# Altium PCB 脑电采集板V3.0.PcbDoc (part 2 of 2)
Units mm, origin at the board's own origin, x right, y up, seen from the top; angles counter-clockwise.
Board outline 100 x 80 mm, 2 copper layers (Top Layer, Bottom Layer); 140 components, 112 nets, 667 pads, 166 vias.
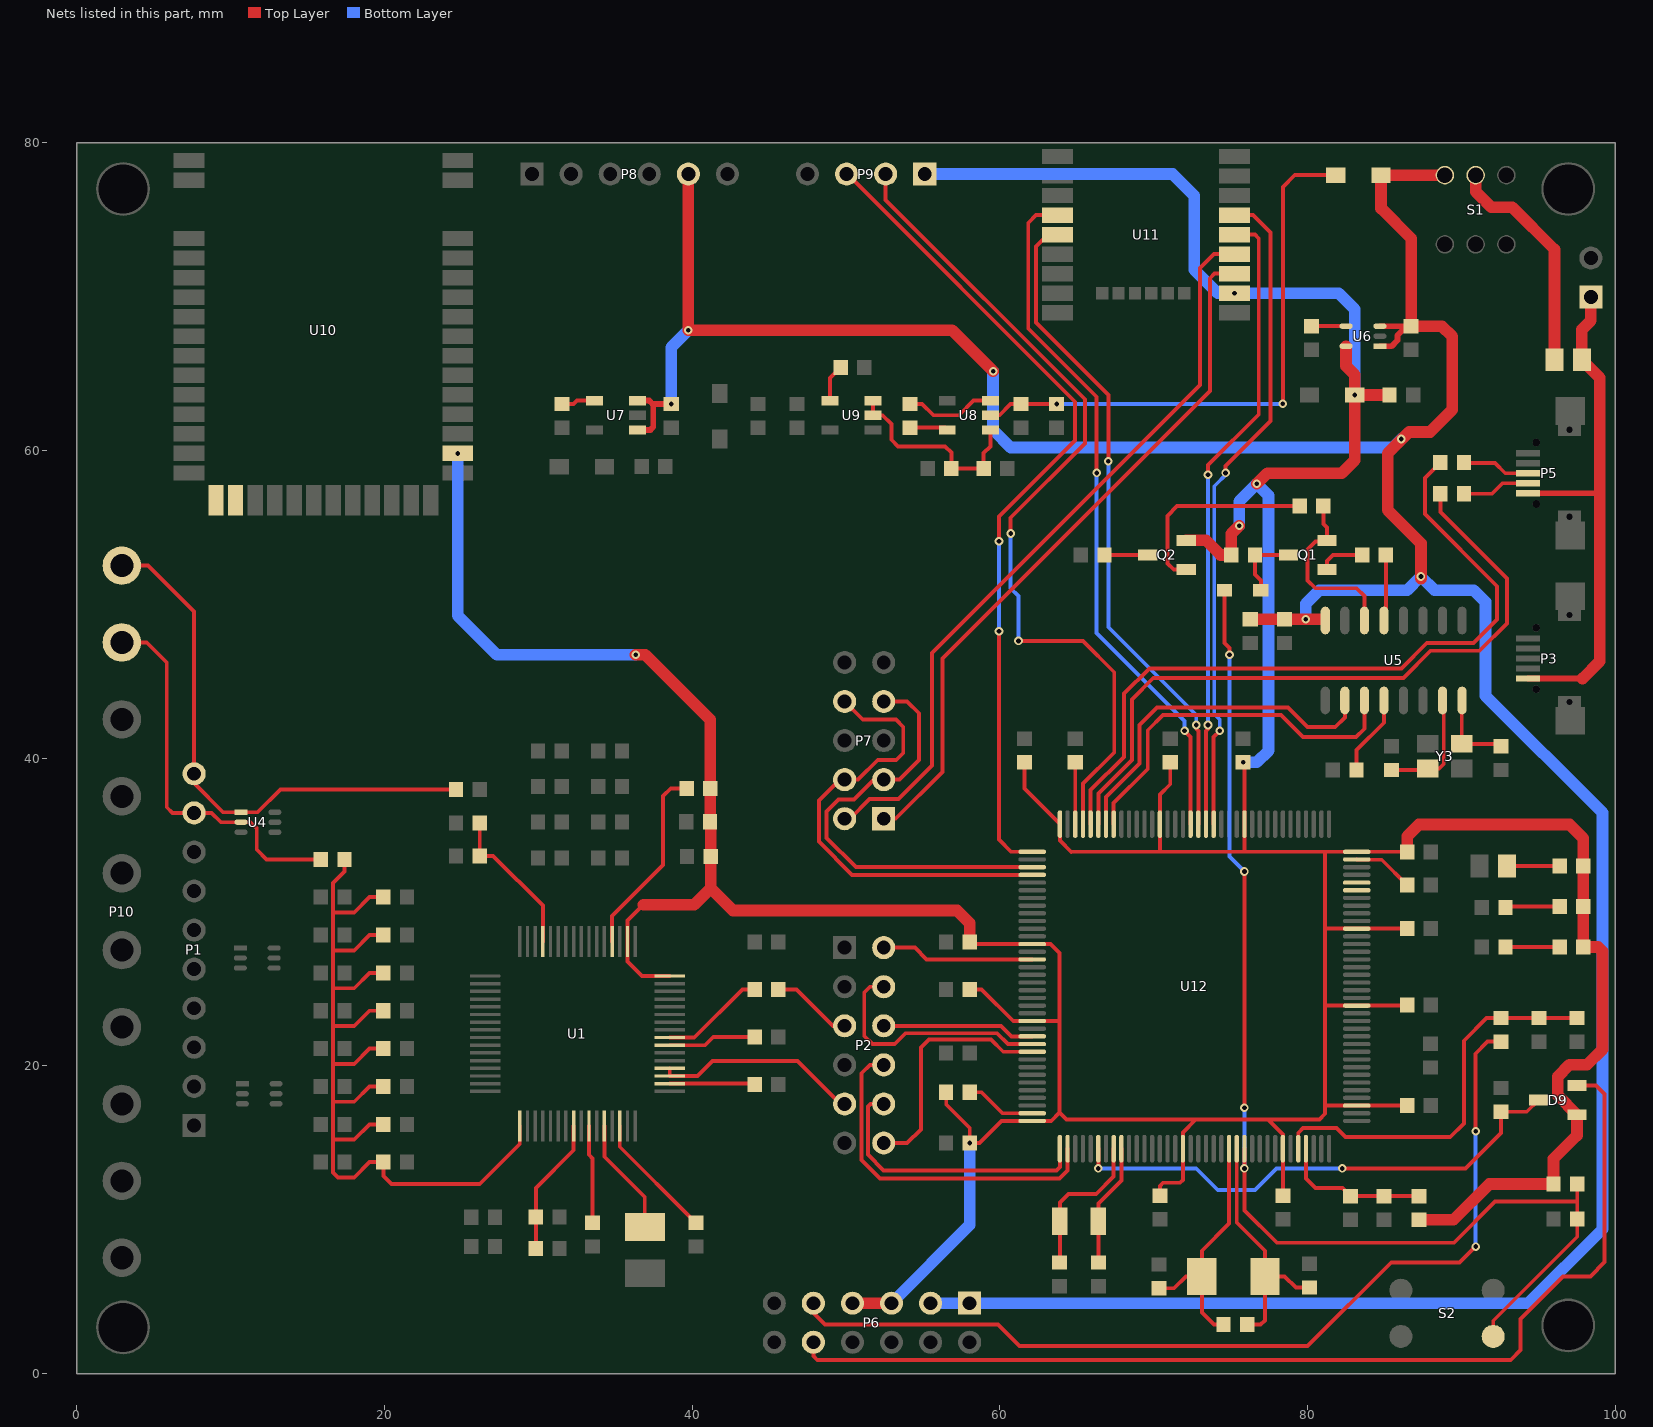
[diagram p2: the nets of this part, all layers, seen from the top]

## Via types
v1: diameter 0.559, hole 0.305, Top Layer to Bottom Layer, tented both sides, 166 vias

## Nets (pads, with @x,y where several pads share a name; then routed paths per layer and width w, separated by ;. In a path a pad name is that pad's centre, name@x,y a point inside that pad or via, vN(x,y) a via of type N, cw(c..) or ccw(c..) an arc to the next point about the centre after c; other vN are vias at no path point) (continued)
NetC7_2: C7.2 R2.2 U1.61 | length 9.9
  Top Layer w0.254: C7.2@26.188,35.781 R2.2@26.188,33.655 27.059,33.655 30.293,30.421 U1.61@30.293,28.094
NetC21_1: C21.1 U1.26 | length 6.4
  Top Layer w0.254: U1.26@33.293,16.094 33.293,14.224 33.533,13.984 C21.1@33.533,9.795
NetC22_1: C22.1 U1.30 | length 8.3
  Top Layer w0.254: U1.30@35.293,16.094 35.293,14.745 39.997,10.041 C22.1@40.259,10.041
NetC24_1: C24.1 U1.28 | length 7.7
  Top Layer w0.254: U1.28@34.293,16.094 34.293,14.094 36.917,11.47 C24.1@36.917,9.525
NetC25_2: C25.2 C26.1 U1.24 | length 9
  Top Layer w0.254: C26.1@29.837,8.128 C25.2@29.837,10.168 29.837,12.057 32.293,14.513 U1.24@32.293,16.094
NetC29_1: C29.1 U5.4 | length 5.2
  Top Layer w0.254: C29.1@83.193,39.243 83.193,40.529 84.971,42.307 U5.4@84.971,43.755
NetC32_2: C32.2 U6.4 | length 2.2
  Top Layer w0.254: C32.2@80.264,68.088 82.508,68.088 U6.4@82.509,68.087
NetC35_2: C35.2 U7.4 | length 2.2
  Top Layer w0.254: C35.2@31.527,63.031 32.297,63.031 32.512,63.246 U7.4@33.652,63.246
NetC36_1: C36.1 U8.5 | length 2.5
  Top Layer w0.254: C36.1@54.174,61.491 56.439,61.491 U8.5@56.584,61.346
NetC36_2: C36.2 U8.3 | length 5.9
  Top Layer w0.254: C36.2@54.174,63.031 54.952,63.031 55.687,62.296 57.351,62.296 58.301,63.246 U8.3@59.384,63.246
NetC39_1: C39.1 C40.2 D4.2 U8.2 | length 37.2
  Top Layer w0.254: U8.2@59.384,62.296 59.971,62.296 60.706,63.031 C40.2@61.373,63.031 v1(63.691,63.031) ; v1(78.403,63.036) 78.403,77.133 79.176,77.906 D4.2@81.837,77.906
  Bottom Layer w0.254: v1(63.691,63.031) 78.398,63.031 v1(78.403,63.036)
NetC41_1: C41.1 C42.2 U8.1 U9.2 U9.3 | length 13.4
  Top Layer w0.254: U9.3@51.764,63.246 U9.2@51.764,62.296 52.385,62.296 52.959,61.722 52.959,60.706 53.392,60.273 56.44,60.273 56.849,59.864 C41.1@56.849,58.846 C42.2@58.948,58.846 58.948,59.837 59.384,60.273 U8.1@59.384,61.346
NetC43_2: C43.2 U9.4 | length 2.4
  Top Layer w0.254: U9.4@48.964,63.246 48.964,64.72 C43.2@49.649,65.405
NetC44_2: C44.2 U12.8 Y1.1 | length 9.9
  Top Layer w0.254: C44.2@63.881,7.213 63.903,7.235 Y1.1@63.903,9.906 63.903,11.114 64.473,11.684 66.269,11.684 67.403,12.818 U12.8@67.403,14.619
NetC45_2: C45.2 U12.9 Y1.2 | length 8
  Top Layer w0.254: C45.2@66.403,7.213 Y1.2@66.403,9.906 66.403,11.056 67.903,12.556 U12.9@67.903,14.619
NetC46_2: C46.2 R27.1 U12.23 Y2.1 | length 16.2
  Top Layer w0.254: C46.2@70.358,5.546 71.332,5.546 72.102,6.316 Y2.1@73.134,6.316 ; R27.1@74.541,3.175 73.914,3.175 73.134,3.955 Y2.1@73.134,6.316 ; U12.23@74.903,14.619 74.903,9.752 73.134,7.983 Y2.1@73.134,6.316
NetC47_2: C47.2 R27.2 U12.24 Y2.2 | length 16.4
  Top Layer w0.254: U12.24@75.403,14.619 75.403,9.814 77.234,7.983 Y2.2@77.234,6.316 ; R27.2@76.081,3.175 76.951,3.175 77.234,3.458 Y2.2@77.234,6.316 ; C47.2@80.137,5.588 79.248,5.588 78.52,6.316 Y2.2@77.234,6.316
NetC48_1: C48.1 C49.1 R29.2 U12.33 | length 9.8
  Top Layer w0.254: U12.33@79.903,14.619 79.903,12.68 80.518,12.065 82.27,12.065 C48.1@82.804,11.531 C49.1@84.963,11.531 R29.2@87.249,11.531
NetC51_2: C51.2 U12.106 | length 4
  Top Layer w0.254: U12.106@64.903,35.719 C51.2@64.903,39.735
NetC53_2: C53.2 U12.71 | length 4
  Top Layer w0.254: U12.71@83.203,33.419 83.221,33.401 84.828,33.401 C53.2@86.479,31.75
NetC68_2: C68.2 U5.7 Y3.1 | length 7.7
  Top Layer w0.254: C68.2@85.45,39.235 87.735,39.235 Y3.1@87.832,39.332 88.564,39.332 88.862,39.63 88.862,43.674 U5.7@88.781,43.755
NetC69_2: C69.2 U5.8 Y3.3 | length 5.4
  Top Layer w0.254: U5.8@90.051,43.755 90.032,43.736 Y3.3@90.032,40.932 92.426,40.932 C69.2@92.583,40.775
NetD1_2: D1.2 Q1.3 R17.2 | length 4.6
  Top Layer w0.254: D1.2@76.97,50.927 76.97,51.562 76.589,51.943 R17.2@76.589,53.213 Q1.3@78.768,53.213
NetD6_A: D6.A R24.2 | length 3.6
  Top Layer w0.254: D6.A@92.876,30.288 92.953,30.365 R24.2@96.397,30.365
NetD7_A: D7.A R25.2 | length 3.5
  Top Layer w0.254: D7.A@92.876,27.734 R25.2@96.397,27.734
NetD8_A: D8.A R26.2 | length 3.4
  Top Layer w0.254: D8.A@92.965,32.997 R26.2@96.397,32.997
NetF1_1: F1.1 S1.2 | length 14.9
  Top Layer w0.762: S1.2@90.932,77.906 90.932,76.835 91.948,75.819 93.312,75.819 96.059,73.072 F1.1@96.059,65.913
NetP5_2: P5.2 R21.1 | length 4.4
  Top Layer w0.254: R21.1@90.178,57.195 91.993,57.195 92.675,57.877 P5.2@94.328,57.877
NetP5_3: P5.3 R22.1 | length 4.4
  Top Layer w0.254: R22.1@90.178,59.227 90.223,59.182 92.202,59.182 92.857,58.527 P5.3@94.328,58.527
NetQ1_1: Q1.1 R18.2 | length 3
  Top Layer w0.254: Q1.1@81.268,52.263 81.268,52.82 81.661,53.213 R18.2@83.558,53.213
NetQ1_2: Q1.2 R19.2 U5.14 | length 11.5
  Top Layer w0.254: R19.2@81.034,56.388 81.034,55.237 81.268,55.003 Q1.2@81.268,54.163 81.207,54.102 80.53,54.102 80.01,53.582 80.01,51.562 80.518,51.054 83.193,51.054 83.701,50.546 U5.14@83.701,48.955
NetQ2_1: Q2.1 R19.1 | length 13.3
  Top Layer w0.254: Q2.1@72.116,52.263 71.308,52.263 70.903,52.668 70.903,55.761 71.53,56.388 R19.1@79.494,56.388
NetQ2_3: Q2.3 R20.1 | length 2.8
  Top Layer w0.254: R20.1@66.81,53.213 Q2.3@69.616,53.213
NetR3_2: R3.2 U1.52 | length 12.6
  Top Layer w0.254: U1.52@34.793,28.094 34.793,29.755 38.1,33.062 38.1,37.533 38.608,38.041 R3.2@39.641,38.041
NetR9_1: R9.1 U1.40 | length 6.8
  Top Layer w0.254: U1.40@38.543,21.844 40.132,21.844 43.265,24.977 R9.1@44.061,24.977
NetR10_1: R10.1 U1.39 | length 5.7
  Top Layer w0.254: U1.39@38.543,21.344 40.825,21.344 41.367,21.886 R10.1@44.061,21.886
NetR12_1: R12.1 U1.34 | length 5.5
  Top Layer w0.254: U1.34@38.543,18.844 44.013,18.844 R12.1@44.061,18.796
NetR18_1: R18.1 U5.13 | length 4.3
  Top Layer w0.254: U5.13@84.971,48.955 85.098,49.082 R18.1@85.098,53.213
NetR23_2: R23.2 U12.143 | length 4.6
  Top Layer w0.254: R23.2@58.047,18.288 58.801,18.288 60.17,16.919 61.059,16.919 U12.143@62.103,16.919
nRF_RX: P7.1 U11.18 | length 46.1
  Top Layer w0.254: P7.1@52.451,36.068 53.213,36.068 56.261,39.116 56.261,46.482 73.66,63.881 73.66,71.206 73.955,71.501 U11.18@75.254,71.501
nRF_TX: P7.2 U11.19 | length 49.3
  Top Layer w0.254: P7.2@49.911,36.068 50.253,36.068 51.523,37.338 53.422,37.338 55.601,39.517 55.601,46.838 73.025,64.262 73.025,71.882 73.914,72.771 U11.19@75.254,72.771
P\W\D\N\: P2.9 U1.35 U1.36 | length 13.4
  Top Layer w0.254: U1.36@38.543,19.844 U1.35@38.543,19.344 40.357,19.344 41.333,20.32 46.859,20.32 49.653,17.526 P2.9@49.911,17.526
PD2: U10.16
PD3: U10.17
PD7: P2.2 U12.123 | length 10
  Top Layer w0.254: P2.2@52.451,27.686 54.478,27.686 55.245,26.919 U12.123@62.103,26.919
PE2: P2.10 U12.1 | length 18.4
  Top Layer w0.254: P2.10@52.451,17.526 51.601,17.526 51.422,17.347 51.422,14.237 52.451,13.208 63.691,13.208 63.903,13.42 U12.1@63.903,14.619
PE3: P2.8 U12.2 | length 22.8
  Top Layer w0.254: P2.8@52.451,20.066 51.562,20.066 51.015,19.519 51.015,13.882 52.217,12.68 63.881,12.68 64.403,13.202 U12.2@64.403,14.619
PE14: U12.67
PE15: U12.68
PG3: U11.21 U12.88 | length 43.3
  Top Layer w0.254: U12.88@73.903,35.719 73.903,41.391 v1(74.295,41.783) ; v1(74.676,58.547) 74.676,59.005 77.597,61.926 77.597,74.176 76.462,75.311 U11.21@75.254,75.311
  Bottom Layer w0.254: v1(74.295,41.783) 74.295,42.526 73.939,42.882 73.939,57.683 74.803,58.547 v1(74.676,58.547)
PG4: U11.20 U12.89 | length 41.2
  Top Layer w0.254: U12.89@73.403,35.719 73.403,41.78 73.533,41.91 v1(73.533,42.161) ; v1(73.533,58.42) 73.533,59.055 76.835,62.357 76.835,73.796 76.59,74.041 U11.20@75.254,74.041
  Bottom Layer w0.254: v1(73.533,42.161) v1(73.533,58.42)
PG5: U11.5 U12.90 | length 43.6
  Top Layer w0.254: U11.5@63.754,74.041 63.119,74.041 62.357,73.279 62.357,68.326 67.056,63.627 v1(67.056,59.309) ; v1(72.771,42.161) 72.771,41.91 72.903,41.778 U12.90@72.903,35.719
  Bottom Layer w0.254: v1(67.056,59.309) 67.056,48.514 72.771,42.799 v1(72.771,42.161)
PG6: U11.4 U12.91 | length 46.2
  Top Layer w0.254: U11.4@63.754,75.311 62.357,75.311 61.849,74.803 61.849,67.945 66.294,63.5 v1(66.294,58.547) 66.294,59.177 ; v1(72.009,41.783) 72.403,41.389 U12.91@72.403,35.719
  Bottom Layer w0.254: v1(66.294,58.547) 66.294,48.133 72.009,42.418 v1(72.009,41.783)
REF: P1.9 P10.9 R16.1 U4.2 | length 25.1
  Top Layer w0.254: P10.9@2.921,47.526 4.544,47.526 5.842,46.228 5.842,36.814 6.207,36.449 P1.9@7.62,36.449 8.763,36.449 9.371,35.841 U4.2@10.668,35.841 11.276,35.841 11.696,35.421 11.696,34.052 12.32,33.428 R16.1@15.859,33.428
RESET: C50.2 D1.1 R28.2 S2.1 U12.25 | length 78.6
  Top Layer w0.254: D1.1@74.61,50.927 74.61,47.498 74.93,47.178 v1(74.93,46.736) ; U12.25@75.903,14.619 v1(75.903,13.335) 75.903,10.604 78.006,8.501 89.526,8.501 92.201,11.176 97.536,11.176 ; v1(75.903,17.272) v1(75.903,32.639) ; S2.1@92.075,2.413 92.075,3.429 97.536,8.89 C50.2@97.536,10.057 97.536,11.176 ; 97.536,11.176 97.536,11.763 ; 97.536,11.763 R28.2@97.536,12.319 97.536,11.763
  Bottom Layer w0.254: v1@74.93,46.866 v1(74.93,46.736) 74.93,33.612 v1(75.903,32.639) ; v1(75.903,13.335) v1(75.903,17.272)
RL: P1.10 P10.10 R4.1 U4.1 | length 35.5
  Top Layer w0.254: P10.10@2.921,52.526 4.624,52.526 7.62,49.53 P1.10@7.62,38.989 7.62,38.381 9.51,36.491 U4.1@10.668,36.491 11.755,36.491 13.237,37.973 R4.1@24.648,37.973
SCLK: P2.5 R9.2 | length 5.3
  Top Layer w0.254: R9.2@45.601,24.977 46.778,24.977 49.149,22.606 P2.5@49.911,22.606
SPI3_MISO: P2.4 U12.134 | length 16
  Top Layer w0.254: P2.4@52.451,25.146 51.562,25.146 51.189,24.773 51.189,21.95 51.72,21.419 53.169,21.419 53.873,22.123 59.828,22.123 60.532,21.419 U12.134@62.103,21.419
SPI3_MOSI: P2.12 U12.135 | length 15.9
  Top Layer w0.254: P2.12@52.451,14.986 53.975,14.986 54.864,15.875 54.864,21.183 55.398,21.717 59.427,21.717 60.226,20.919 U12.135@62.103,20.919
SPI3_SCK: P2.6 U12.133 | length 9.9
  Top Layer w0.254: P2.6@52.451,22.606 60.071,22.606 60.758,21.919 U12.133@62.103,21.919
SRB1: C14.1 C15.1 C16.1 C17.1 C18.1 C19.1 C20.1 C23.1 R16.2 U1.17 | length 62.5
  Top Layer w0.254: R16.2@17.399,33.428 17.399,32.639 16.655,31.895 16.655,29.972 ; C15.1@19.923,16.201 19.029,16.201 18.034,15.206 16.655,15.206 ; C16.1@19.923,18.662 19.029,18.662 18.034,17.667 16.655,17.667 ; C17.1@19.923,21.123 19.029,21.123 18.034,20.128 16.655,20.128 ; C18.1@19.923,23.584 19.029,23.584 18.034,22.589 16.655,22.589 ; C19.1@19.923,26.045 19.029,26.045 18.034,25.05 16.655,25.05 ; C20.1@19.923,28.506 19.029,28.506 18.034,27.511 16.655,27.511 ; C23.1@19.923,30.967 19.029,30.967 18.034,29.972 16.655,29.972 ; U1.17@28.793,16.094 28.793,14.922 26.19,12.319 20.447,12.319 19.923,12.843 C14.1@19.923,13.74 19.029,13.74 18.034,12.745 16.973,12.745 16.655,13.063 16.655,15.206 ; 16.655,15.206 16.655,17.667 ; 16.655,17.667 16.655,20.128 ; 16.655,20.128 16.655,22.589 ; 16.655,22.589 16.655,25.05 ; 16.655,25.05 16.655,27.511 ; 16.655,27.511 16.655,29.972
SWCLK: P9.3 U12.109 | length 54
  Top Layer w0.254: P9.3@50.038,77.978 50.094,77.978 64.897,63.175 64.897,60.656 59.944,55.703 v1(59.944,54.102) ; v1(59.944,48.26) 59.944,34.707 60.732,33.919 U12.109@62.103,33.919
  Bottom Layer w0.254: v1(59.944,48.26) v1(59.944,54.102)
SWDIO: P9.2 U12.105 | length 55.7
  Top Layer w0.254: P9.2@52.578,77.978 52.578,76.29 65.532,63.336 65.532,60.46 60.706,55.634 v1(60.706,54.61) ; v1(61.214,47.625) 65.405,47.625 67.437,45.593 67.437,40.386 65.403,38.352 U12.105@65.403,35.719
  Bottom Layer w0.254: v1(60.706,54.61) 60.706,51.054 61.214,50.546 v1(61.214,47.625)
USART1_RX: U5.2 U12.102 | length 23
  Top Layer w0.254: U12.102@66.903,35.719 66.903,37.481 69.088,39.666 69.088,42.164 70.231,43.307 78.74,43.307 80.01,42.037 81.807,42.037 82.431,42.661 U5.2@82.431,43.755
USART1_TX: U5.3 U12.101 | length 24.2
  Top Layer w0.254: U12.101@67.403,35.719 67.403,37.095 69.616,39.308 69.616,41.817 70.598,42.799 78.292,42.799 79.715,41.377 83.16,41.377 83.701,41.918 U5.3@83.701,43.755
USART3_RX: P7.4 P7.8 U12.112 | length 30.4
  Top Layer w0.254: P7.8@49.911,43.688 51.087,42.512 53.243,42.512 53.721,42.034 53.721,40.334 53.265,39.878 52.062,39.878 50.792,38.608 P7.4@49.911,38.608 49.599,38.608 48.235,37.244 48.235,34.587 50.403,32.419 U12.112@62.103,32.419
USART3_TX: P7.3 P7.7 U12.111 | length 28.9
  Top Layer w0.254: P7.7@52.451,43.688 53.975,43.688 54.737,42.926 54.737,39.878 53.467,38.608 P7.3@52.451,38.608 51.816,38.608 50.517,37.309 49.501,37.309 48.74,36.548 48.74,34.826 50.647,32.919 U12.111@62.103,32.919
USB_5V: F1.2 P3.1 P4.1 P5.1 | length 34.2
  Top Layer w0.381: P3.1@94.328,45.182 97.887,45.182 ; P5.1@94.328,57.227 99.01,57.227
  Top Layer w0.762: 97.887,45.182 99.01,46.305 99.01,57.227 99.01,64.742 F1.2@97.839,65.913 97.839,67.867 98.425,68.453 P4.1@98.425,69.977
USB_D+: R22.2 U12.104 | length 48.2
  Top Layer w0.254: U12.104@65.903,35.719 65.903,37.924 68.072,40.093 68.072,44.196 69.723,45.847 86.106,45.847 87.757,47.498 90.805,47.498 92.329,49.022 92.329,51.181 87.63,55.88 87.63,58.219 R22.2@88.638,59.227
USB_D-: R21.2 U12.103 | length 45.7
  Top Layer w0.254: U12.103@66.403,35.719 66.403,37.701 68.58,39.878 68.58,43.815 69.977,45.212 86.233,45.212 88.011,46.99 91.186,46.99 92.965,48.769 92.965,51.688 88.638,56.015 R21.2@88.638,57.195
VBAT: D9.2 P6.10 | length 69.2
  Top Layer w0.254: P6.10@47.879,2.032 47.879,1.143 48.133,0.889 93.218,0.889 93.853,1.524 93.853,3.556 96.613,6.316 98.391,6.316 99.314,7.239 99.314,18.161 98.745,18.73 D9.2@97.516,18.73
VBAT_IN: C52.1 D9.3 U12.6 | length 33.7
  Top Layer w0.254: v1(66.403,13.335) U12.6@66.403,14.619 ; v1(82.27,13.335) 90.269,13.335 92.583,15.649 C52.1@92.583,17.018 94.254,17.018 D9.3@95.016,17.78
  Bottom Layer w0.254: v1(66.403,13.335) 72.771,13.335 74.168,11.938 76.581,11.938 77.978,13.335 v1(82.27,13.335)
VCC: C27.1 C28.1 C30.2 C33.2 D4.1 P6.1 P6.3 P8.5 S1.1 U5.16 U6.1 U6.3 U7.1 U7.3 | length 222.3
  Top Layer w0.381: U7.1@36.452,61.346 37.281,61.346 37.465,61.53 37.465,62.992 37.426,63.031 ; U7.3@36.452,63.246 37.211,63.246 37.426,63.031 ; v1(38.639,63.031) 37.426,63.031 ; U5.16@81.086,49.03 U5.16@81.161,48.955 ; U6.1@84.709,66.787 85.471,66.787 85.86,67.175 85.86,67.493 C30.2@86.453,68.087 ; U6.3@84.709,68.087 C30.2@86.453,68.087 ; C30.2@86.741,68.088 C30.2@86.453,68.087
  Top Layer w0.762: P8.5@39.751,77.978 v1(39.751,67.818) 56.896,67.818 v1(59.563,65.151) ; C28.1@76.282,49.03 C27.1@78.494,49.03 v1(79.883,49.03) U5.16@81.086,49.03 ; C30.2@86.741,68.088 86.74,73.788 84.787,75.741 D4.1@84.787,77.906 S1.1@88.932,77.906 ; C30.2@86.741,68.088 88.742,68.088 89.408,67.422 89.408,62.648 87.974,61.214 86.614,61.214 85.217,59.817 85.217,56.134 87.376,53.975 v1(87.376,51.816) v1@87.376,51.689
  Bottom Layer w0.762: v1(38.639,63.031) 38.639,66.706 v1(39.751,67.818) ; P6.3@55.499,4.572 P6.1@58.039,4.572 94.361,4.572 99.187,9.398 99.187,36.449 91.567,44.069 91.567,50.165 90.805,50.927 88.265,50.927 v1(87.376,51.816) 86.487,50.927 80.772,50.927 79.883,50.038 v1(79.883,49.03) ; v1(59.563,65.151) 59.563,61.341 60.706,60.198 85.549,60.198 v1(86.106,60.755)
VCC3.3: C12.1 C13.1 C31.2 C56.2 C57.2 C58.2 C59.2 C60.2 C61.2 C62.2 C63.2 C64.2 C65.2 C66.2 C67.2 D2.2 D9.1 P6.5 P6.7 P9.1 Q2.2 R3.1 R17.1 R23.1 R24.1 R25.1 R26.1 R28.1 R29.1 U1.48 U1.50 U6.5 U10.29 U11.17 U12.17 U12.30 U12.39 U12.52 U12.62 U12.72 U12.84 U12.95 U12.108 U12.121 U12.131 U12.144 | length 358.6
  Top Layer w0.254: 36.833,30.48 35.793,29.44 U1.50@35.793,28.094 35.793,26.789 36.738,25.844 U1.48@38.543,25.844 ; R23.1@56.507,18.288 56.515,18.28 56.515,17.491 58.047,15.959 v1(58.047,14.986) 58.674,14.986 60.107,16.419 U12.144@62.103,16.419 63.343,16.419 63.881,16.957 ; C56.2@58.047,24.977 58.816,24.977 60.874,22.919 U12.131@62.103,22.919 63.881,22.919 ; C57.2@58.047,27.919 U12.121@62.103,27.919 63.289,27.919 63.881,27.327 63.881,22.919 ; C63.2@61.595,39.735 61.595,38.027 U12.108@63.903,35.719 63.903,34.649 64.643,33.909 64.653,33.919 70.403,33.919 ; C58.2@70.403,11.565 70.403,12.192 70.612,12.401 71.71,12.401 71.903,12.594 U12.17@71.903,14.619 71.903,15.676 72.691,16.463 ; C64.2@71.078,39.735 71.078,38.312 70.403,37.637 U12.95@70.403,35.719 70.403,33.919 ; v1(75.819,39.735) 75.903,39.651 U12.84@75.903,35.719 75.903,33.919 ; C61.2@78.403,11.565 U12.30@78.403,14.619 78.403,15.542 77.435,16.51 ; 81.153,33.909 81.153,28.919 ; C65.2@86.479,17.419 U12.39@83.203,17.419 81.153,17.419 ; C66.2@86.479,23.969 86.428,23.919 U12.52@83.203,23.919 81.153,23.919 ; C60.2@86.479,28.922 86.475,28.919 U12.62@83.203,28.919 81.153,28.919 ; C67.2@86.479,33.909 86.469,33.919 U12.72@83.203,33.919 75.903,33.919 ; 63.881,16.957 64.328,16.51 77.435,16.51 ; 63.881,16.957 63.881,22.919 ; 70.403,33.919 75.903,33.919 ; 77.435,16.51 80.772,16.51 81.153,16.891 81.153,17.419 ; 81.153,17.419 81.153,23.919 ; 81.153,23.919 81.153,28.919
  Top Layer w0.762: v1(36.322,46.736) 36.957,46.736 41.181,42.512 R3.1@41.181,38.041 41.181,35.896 C13.1@41.156,35.871 41.204,35.823 C12.1@41.204,33.614 41.204,31.552 ; 36.833,30.48 40.132,30.48 41.204,31.552 ; P6.7@50.419,4.572 P6.5@52.959,4.572 ; C57.2@58.047,28.067 58.047,29.284 57.232,30.099 42.657,30.099 41.204,31.552 ; Q2.2@72.116,54.163 73.403,54.163 74.353,53.213 R17.1@75.049,53.213 75.049,54.602 v1(75.565,55.118) ; v1(76.708,57.838) 77.397,58.527 82.231,58.527 83.079,59.375 v1(83.079,63.612) ; U6.5@82.509,66.787 82.509,65.495 83.079,64.925 v1(83.079,63.612) ; C31.2@85.328,63.627 85.313,63.612 v1(83.079,63.612) ; C67.2@86.479,33.909 86.479,34.929 87.237,35.687 97.048,35.687 97.937,34.798 R26.1@97.937,32.997 R24.1@97.937,30.365 R25.1@97.937,27.734 98.885,27.734 99.187,27.432 99.187,21.082 98.171,20.066 97.028,20.066 96.266,19.304 96.266,18.08 D9.1@97.516,16.83 97.516,15.474 95.996,13.954 R28.1@95.996,12.319 91.821,12.319 89.493,9.991 R29.1@87.249,9.991
  Bottom Layer w0.762: v1(24.765,59.817) 24.765,49.276 27.305,46.736 v1(36.322,46.736) ; P6.5@52.959,4.572 58.047,9.66 v1(58.047,14.986) ; P9.1@55.118,77.978 71.247,77.978 72.644,76.581 72.644,71.755 74.168,70.231 v1(75.254,70.231) 82.042,70.231 83.079,69.194 v1(83.079,63.612) ; v1(75.565,55.118) 75.565,56.695 v1(76.708,57.838) 77.47,57.076 77.47,40.497 76.708,39.735 v1(75.819,39.735)
VREF: P6.9 R30.2 | length 61.8
  Top Layer w0.254: P6.9@47.879,4.572 47.879,3.937 48.641,3.175 59.869,3.175 61.266,1.778 80.01,1.778 85.445,7.213 89.89,7.213 v1(90.932,8.255) ; v1(90.932,15.748) 90.932,20.792 91.714,21.574 R30.2@92.583,21.574
  Bottom Layer w0.254: v1(90.932,8.255) v1(90.932,15.748)
VREF+: C54.2 C55.2 R30.1 U12.32 | length 25.9
  Top Layer w0.254: U12.32@79.403,14.619 79.403,15.649 79.713,15.959 81.886,15.959 82.478,15.367 89.281,15.367 90.17,16.256 90.17,21.632 91.652,23.114 R30.1@92.583,23.114 C55.2@95.059,23.114 C54.2@97.536,23.114
pads on no net: P3. P3.4 P3.6 P5. P5.4 P5.6 P8.1 P8.6 S1.3 S1.4 S1.5 S1.6 S2. U1.1 U1.3 U1.5 U1.7 U1.9 U1.11 U1.13 U1.15 U1.18 U1.27 U1.29 U1.37 U1.42 U1.44 U1.45 U1.46 U1.60 U1.64 U2.6 U3.6 U4.4 U4.5 U4.6 U5.9 U5.10 U5.11 U5.12 U5.15 U10.4 U10.5 U10.8 U10.9 U10.10 U10.11 U10.12 U10.13 U10.14 U10.15 U10.18 U10.19 U10.20 U10.21 U10.22 U10.23 U10.24 U10.25 U10.26 U10.28 U10.30 U10.31 U10.32 U10.33 U10.34 U10.35 U10.36 U10.37 U10.38 U10.39 U11.2 U11.3 U11.6 U11.7 U11.8 U11.10 U11.11 U11.12 U11.13 U11.14 U11.15 U11.22 U11.23 U11.24 U12.3 U12.4 U12.5 U12.7 U12.10 U12.11 U12.12 U12.13 U12.14 U12.15 U12.18 U12.19 U12.20 U12.21 U12.22 U12.26 U12.27 U12.28 U12.29 U12.34 U12.35 U12.36 U12.37 U12.40 U12.41 U12.42 U12.43 U12.44 U12.45 U12.46 U12.47 U12.49 U12.50 U12.53 U12.54 U12.55 U12.58 U12.59 U12.60 U12.63 U12.64 U12.65 U12.66 U12.69 U12.70 U12.73 U12.74 U12.75 U12.76 U12.77 U12.78 U12.79 U12.80 U12.81 U12.82 U12.85 U12.86 U12.87 U12.92 U12.93 U12.96 U12.97 U12.98 U12.99 U12.100 U12.110 U12.113 U12.114 U12.115 U12.116 U12.117 U12.118 U12.119 U12.122 U12.124 U12.125 U12.126 U12.127 U12.128 U12.129 U12.132 U12.136 U12.137 U12.139 U12.140 U12.141 U12.142 Y3.2 Y3.4
copper on no net: | length 98.8
  Bottom Layer w0.508: 14.351,0.508 14.351,34.671 21.717,34.671 43.506,34.671 44.831,33.346 44.831,16.891 46.609,15.113 46.609,0.508

## Polygon pours and split planes (outlines as drawn)
AGND on Bottom Layer "Bottom Layer-AGND" (solid, remove dead copper, pour order 10): 14.097,0.254 13.97,0.381 0.254,0.381 0.127,0.254 0.127,79.756 99.695,79.756 99.695,0.254 46.863,0.254 46.863,15.113 46.609,15.113 44.831,16.891 44.831,32.961 45.212,33.342 45.212,33.401 43.688,34.925 14.097,34.925
DGND on Bottom Layer "Bottom Layer-DGND" (solid, remove dead copper, pour order 8): 14.605,34.417 14.605,0.254 46.355,0.254 46.355,14.986 44.577,16.764 44.577,33.274 43.506,34.345 43.506,34.417 43.379,34.29 14.859,34.417
DGND on Top Layer "Top Layer-DGND" (solid, remove dead copper, pour order 16): 14.605,34.417 14.605,0.254 46.355,0.254 46.355,14.986 44.577,16.764 44.577,33.274 43.506,34.345 43.506,34.417 43.379,34.29 14.859,34.417
AGND on Top Layer "Top Layer-AGND" (solid, remove dead copper, pour order 14): 14.097,0.254 0.127,0.254 0.127,79.756 99.695,79.756 99.695,0.254 46.863,0.254 46.863,15.093 45.212,16.744 45.212,33.342 45.212,33.401 43.688,34.925 14.097,34.925
AVSS on Top Layer "Top Layer-AVSS" (solid, remove dead copper, pour order 12): 26.416,11.049 26.416,6.858 27.861,5.413 40.815,5.413 41.021,5.207 41.021,1.778 41.783,1.016 46.355,1.016 46.355,2.921 46.101,3.175 43.434,3.175 43.434,8.636 42.926,9.144 39.243,9.144 38.989,8.382 38.862,8.001 34.809,8.001 34.793,7.985 34.745,8.033 34.745,8.89 32.512,8.89 32.512,9.017 32.512,9.144 32.512,11.049 30.734,11.049 30.734,7.128 29.083,7.128 28.448,7.763 28.448,11.049

## Other copper
Top Layer:
  pour cut-out: 85.09,46.077 84.971,45.958 84.971,41.918 86.721,41.918 86.929,41.71 89.695,41.71 89.662,41.744 89.662,45.583 87.176,45.583 86.929,45.831
  pour cut-out: 14.605,30.922 16.739,30.922 18.067,32.25 18.067,34.392 18.042,34.417 14.605,34.417
  pour cut-out: 35.106,26.891 35.517,26.891 35.814,27.188 35.814,29.845 35.941,29.845 36.576,30.48 35.996,31.06 35.842,31.06 35.842,30.804 34.793,29.755 34.925,29.623 34.925,27.559
  pour cut-out: 37.378,23.749 37.378,20.534 37.862,20.05 37.862,19.344 44.617,19.344 44.704,19.431 44.41,19.725 44.41,26.181 42.502,26.181 40.214,23.892 38.925,23.892
  pour cut-out: 35.98,14.891 35.973,14.884 35.63,14.884
  pour cut-out: 22.131,13.403 22.098,13.37 22.098,12.656 20.586,12.656 20.323,12.919 20.323,13.107 20.177,13.253 20.475,13.551 20.475,14.619 21.161,14.619 21.209,14.571
  pour cut-out: 78.387,4.913 78.394,4.92 79.444,4.92 79.444,6.256 79.047,6.653 78.387,6.653 78.387,5.433 78.359,5.405
  pour cut-out: 71.051,4.878 71.126,4.953 72.263,4.953 72.263,6.347 71.981,6.629 71.567,6.215 71.051,6.215 71.051,5.833 71.078,5.807
  pour cut-out: 57.379,20.135 57.379,19.185 57.175,18.981 57.175,17.595 57.058,17.477 57.005,17.477 57.005,17.058 58.384,15.679 58.774,15.679 58.833,15.621 59.876,16.665 59.876,17.022 58.659,18.24 58.659,20.193 57.531,20.193
  pour cut-out: 38.479,38.352 38.861,38.734 40.573,38.734 40.822,38.485 40.822,34.767 38.595,34.767 38.37,34.992 38.37,37.636
  pour cut-out: 89.306,59.92 90.846,59.92 90.846,58.845 92.202,58.845 92.202,58.35 92.675,57.877 91.993,57.195 90.178,57.195 90.178,57.17 89.51,56.502 89.485,56.527 88.801,56.527 87.757,57.571 87.757,58.346 88.454,58.346 89.163,59.055
  pour cut-out: 81.605,54.716 81.702,54.814 81.702,55.695 81.354,55.695 81.371,55.678 81.371,55.237 81.605,55.003
  pour cut-out: 76.267,51.545 76.252,51.56 76.252,51.943 76.589,51.943 76.589,51.258 76.708,51.139
  pour cut-out: 77.673,51.545 77.94,51.812 77.94,52.876 77.257,52.876 77.257,52.52 76.926,52.52 76.926,51.657 77.101,51.482
  pour cut-out: 87.147,33.216 87.147,32.443 86.019,32.443 85.992,32.417 85.992,32.571 85.09,33.473 85.312,33.695 85.328,33.695 85.409,33.614 85.967,33.614 85.967,33.413 86.106,33.274
  pour cut-out: 90.668,28.427 90.668,29.2 90.658,29.21 90.658,29.134 87.897,26.373 87.945,26.324 87.945,26.255 89.662,27.972 90.872,27.972 90.876,27.976
  pour cut-out: 90.477,20.701 91.269,20.701 91.523,20.955 93.227,20.955 93.276,20.906 93.276,22.777 93.248,22.749 91.763,22.749 90.507,21.493
  pour cut-out: 52.7,37.526 54.69,39.517 55.601,39.517 55.601,46.838 55.363,47.076 55.134,46.847 54.213,46.847 54.213,45.892 53.025,44.704 52.385,44.704 52.385,37.785 52.832,37.338
  pour cut-out: 86.614,9.57 86.556,9.512 86.556,8.509 89.518,8.509 89.526,8.501 89.526,8.941 92.072,11.487 95.195,11.487 95.412,11.705 95.412,11.9 95.236,11.723 91.738,11.723 89.493,9.478 89.493,9.396 86.74,9.396 86.614,9.522
  pour cut-out: 96.485,12.987 97.247,12.987 96.901,12.641 96.901,12.645 96.397,13.149
  pour cut-out: 75.311,10.16 75.311,9.447 77.545,7.213 78.359,7.213 78.359,8.625 76.379,10.604 75.903,10.604
  pour cut-out: 62.992,13.208 62.992,11.117 63.309,10.8 66.403,10.8 66.403,12.805 66.596,12.998 63.614,12.998
  pour cut-out: 78.274,13.805 79.903,13.805 79.903,17.318 79.769,17.452 79.385,17.067 77.08,17.067
  pour cut-out: 81.153,29.718 81.153,16.086 81.28,15.959 81.037,15.716 81.037,14.859 84.302,14.859 84.499,15.056 84.175,15.38 84.175,28.956 81.578,28.956 81.486,29.048
  pour cut-out: 61,34.458 61,23.045 60.874,22.919 61.124,22.669 65.405,22.669 65.405,33.362 65.508,33.465 64.407,34.566 61.319,34.566
  pour cut-out: 65.024,40.525 72.632,40.525 72.903,40.254 72.903,35.115 67.935,35.115 65.278,37.772 65.278,39.64
  pour cut-out: 62.738,36.798 81.579,36.798 81.992,36.384 81.992,33.382 64.303,33.382 62.611,35.074 62.611,36.353
  pour cut-out: 88.359,50.038 90.096,50.038 90.043,49.985 90.043,47.498 87.992,47.498 87.707,47.783 87.707,50.029
  pour cut-out: 80.162,57.081 81.21,57.081 81.268,57.023 81.038,56.793 81.038,54.509 80.462,54.509 80.156,54.203 80.129,54.23 80.129,55.906
  pour cut-out: 96.52,68.961 98.143,68.961 97.571,68.389 97.571,64.97 96.398,64.97 96.393,64.975 96.393,68.58
  pour cut-out: 77.551,74.676 78.359,74.676 78.359,63.507 78.154,63.302 77.724,63.302 77.724,73.533 77.351,73.906 77.351,74.422
  pour cut-out: 73.156,59.161 73.509,59.161 73.988,58.683 73.988,58.232 74.094,58.232 77.597,61.734 77.597,62.103 77.551,62.103 77.234,62.42 74.25,59.436 74.06,59.436
  pour cut-out: 67.269,59.92 68.387,59.92 68.403,59.936 68.403,59.701 67.65,58.948 67.056,59.543 67.056,59.944
  pour cut-out: 65.508,60.035 65.518,60.045 66.106,60.045 66.106,60.618 65.693,60.206 65.278,60.206
  pour cut-out: 61.562,68.707 61.579,68.69 61.579,67.705 60.577,68.707
  pour cut-out: 62.066,62.363 62.081,62.348 64.602,62.348 64.602,63.653 64.499,63.756 59.944,63.756 59.944,62.848 60.23,62.562 61.976,62.562
  pour cut-out: 56.134,60.035 56.134,58.2 56.181,58.153 59.616,58.153 59.616,60.169 59.721,60.273 59.66,60.334 55.847,60.334
  pour cut-out: 52.517,63.749 54.603,63.749 54.61,63.756 54.664,63.703 54.664,62.801 55.394,62.801 56.301,61.894 56.301,61.341 54.864,61.341 53.975,60.452 53.721,60.706 52.959,60.706 52.959,61.722 52.385,62.296 51.943,62.296 51.943,62.877 52.018,62.952
  pour cut-out: 40.64,61.64 43.696,61.64 43.784,61.552 43.532,61.3 43.532,60.755 42.332,60.755 41.783,60.206 41.783,59.114 41.47,59.114 40.386,60.198 40.386,61.654
  pour cut-out: 5.334,58.039 6.568,58.039 6.568,68.108 5.715,68.961 5.334,68.58 4.813,68.58 4.813,58.501 5.334,57.98
  pour cut-out: 34.163,36.577 34.163,34.898 36.044,34.898 36.196,34.747 36.196,36.449 36.104,36.541 34.29,36.541
  pour cut-out: 30.599,36.536 30.625,36.562 31.13,36.562 31.13,34.747 31.135,34.742 30.226,34.742 30.226,36.409 30.099,36.536
  pour cut-out: 23.979,38.666 23.979,34.926 24.035,34.87 26.924,34.87 26.856,34.939 26.856,38.666 24.14,38.666 24.13,38.656
  pour cut-out: 12.999,16.637 13.76,16.637 13.71,16.687 13.71,17.278 13.214,17.278 12.954,17.018
  pour cut-out: 8.426,19.897 8.426,17.387 8.719,17.094 12.264,17.094 12.264,18.148 12.954,18.838 12.932,18.86 10.676,18.86 10.131,18.315 8.76,19.685 8.753,19.685
  pour cut-out: 14.224,37.661 14.224,35.052 14.097,34.925 14.097,33.764 12.222,33.764 11.445,34.542 11.445,36.315 11.55,36.315 13.208,37.973 13.97,37.973

## Silkscreen, mask and mechanical layers (free items; w line width, h text height)
Top Overlay:
  drawing of 11962 lines, arcs and shapes, not listed
  text "RX" at 32.639,76.2 h0.64 r180
  text "TX" at 35.306,76.2 h0.64 r180
  text "GND" at 38.1,76.2 h0.64 r180
  text "VCC" at 40.513,76.2 h0.64 r180
  text "GND" at 48.26,76.2 h0.64 r180
  text "CLK" at 50.864,76.2 h0.64 r180
  text "DIO" at 53.34,76.2 h0.64 r180
  text "3.3V" at 56.388,76.2 h0.64 r180
  text "HC_T" at 48.26,45.339 h0.64 r90
  text "HC_R" at 54.737,45.339 h0.64 r90
  text "U3R" at 48.26,42.926 h0.64 r90
  text "U3T" at 54.737,42.926 h0.64 r90
  text "CC_T" at 48.26,40.105 h0.64 r90
  text "CC_R" at 54.737,40.081 h0.64 r90
  text "RL" at 9.271,39.497 h0.64 r270
  text "U3T" at 54.737,37.804 h0.64 r90
  text "U3R" at 48.26,37.719 h0.64 r90
  text "REF" at 9.271,37.183 h0.64 r270
  text "RF_T" at 48.26,34.798 h0.64 r90
  text "RF_R" at 54.737,34.798 h0.64 r90
  text "IN8" at 9.271,34.571 h0.64 r270
  text "IN7" at 9.271,32.085 h0.64 r270
  text "IN6" at 9.271,29.6 h0.64 r270
  text "IN5" at 9.271,27.114 h0.64 r270
  text "PD7" at 54.737,27.051 h0.64 r90
  text "DRDY" at 48.26,26.924 h0.64 r90
  text "IN4" at 9.271,24.629 h0.64 r270
  text "PB4" at 54.737,24.511 h0.64 r90
  text "DOUT" at 48.26,24.257 h0.64 r90
  text "IN3" at 9.271,22.143 h0.64 r270
  text "PB3" at 54.737,21.971 h0.64 r90
  text "SCLK" at 48.26,21.463 h0.64 r90
  text "IN2" at 9.271,19.658 h0.64 r270
  text "CS" at 48.26,19.558 h0.64 r90
  text "PE3" at 54.737,19.431 h0.64 r90
  text "IN1" at 9.271,16.919 h0.64 r270
  text "PE2" at 54.737,16.891 h0.64 r90
  text "PWDN" at 48.26,16.51 h0.64 r90
  text "PB5" at 54.737,14.351 h0.64 r90
  text "DIN" at 48.26,14.224 h0.64 r90
  text "AVDD" at 44.069,7.578 h0.64
  text "VREF" at 46.99,7.578 h0.64
  text "3.3V" at 50.8,7.578 h0.64
  text "VCC" at 56.142,7.578 h0.64
  text "AVSS" at 44.069,6.35 h0.64
  text "VBAT" at 46.99,6.35 h0.64
  text "GND" at 49.784,6.35 h0.64
  text "GND" at 52.197,6.35 h0.64
  text "GND" at 54.737,6.35 h0.64
  text "GND" at 57.277,6.35 h0.64
Mechanical 1:
  the board outline again, w0.508

## Dimensions
0,80 to 0,0 on Mechanical 1
0,0 to 100,0 on Mechanical 1

## Text inside footprints (layer, text, board x,y; h text height)
P3: Top Overlay "+" at 94.178,43.182 h1 r90
P5: Top Overlay "+" at 94.178,55.227 h1 r90